# Altium PCB Evaluation Board.PcbDoc (part 2 of 22) (continued)
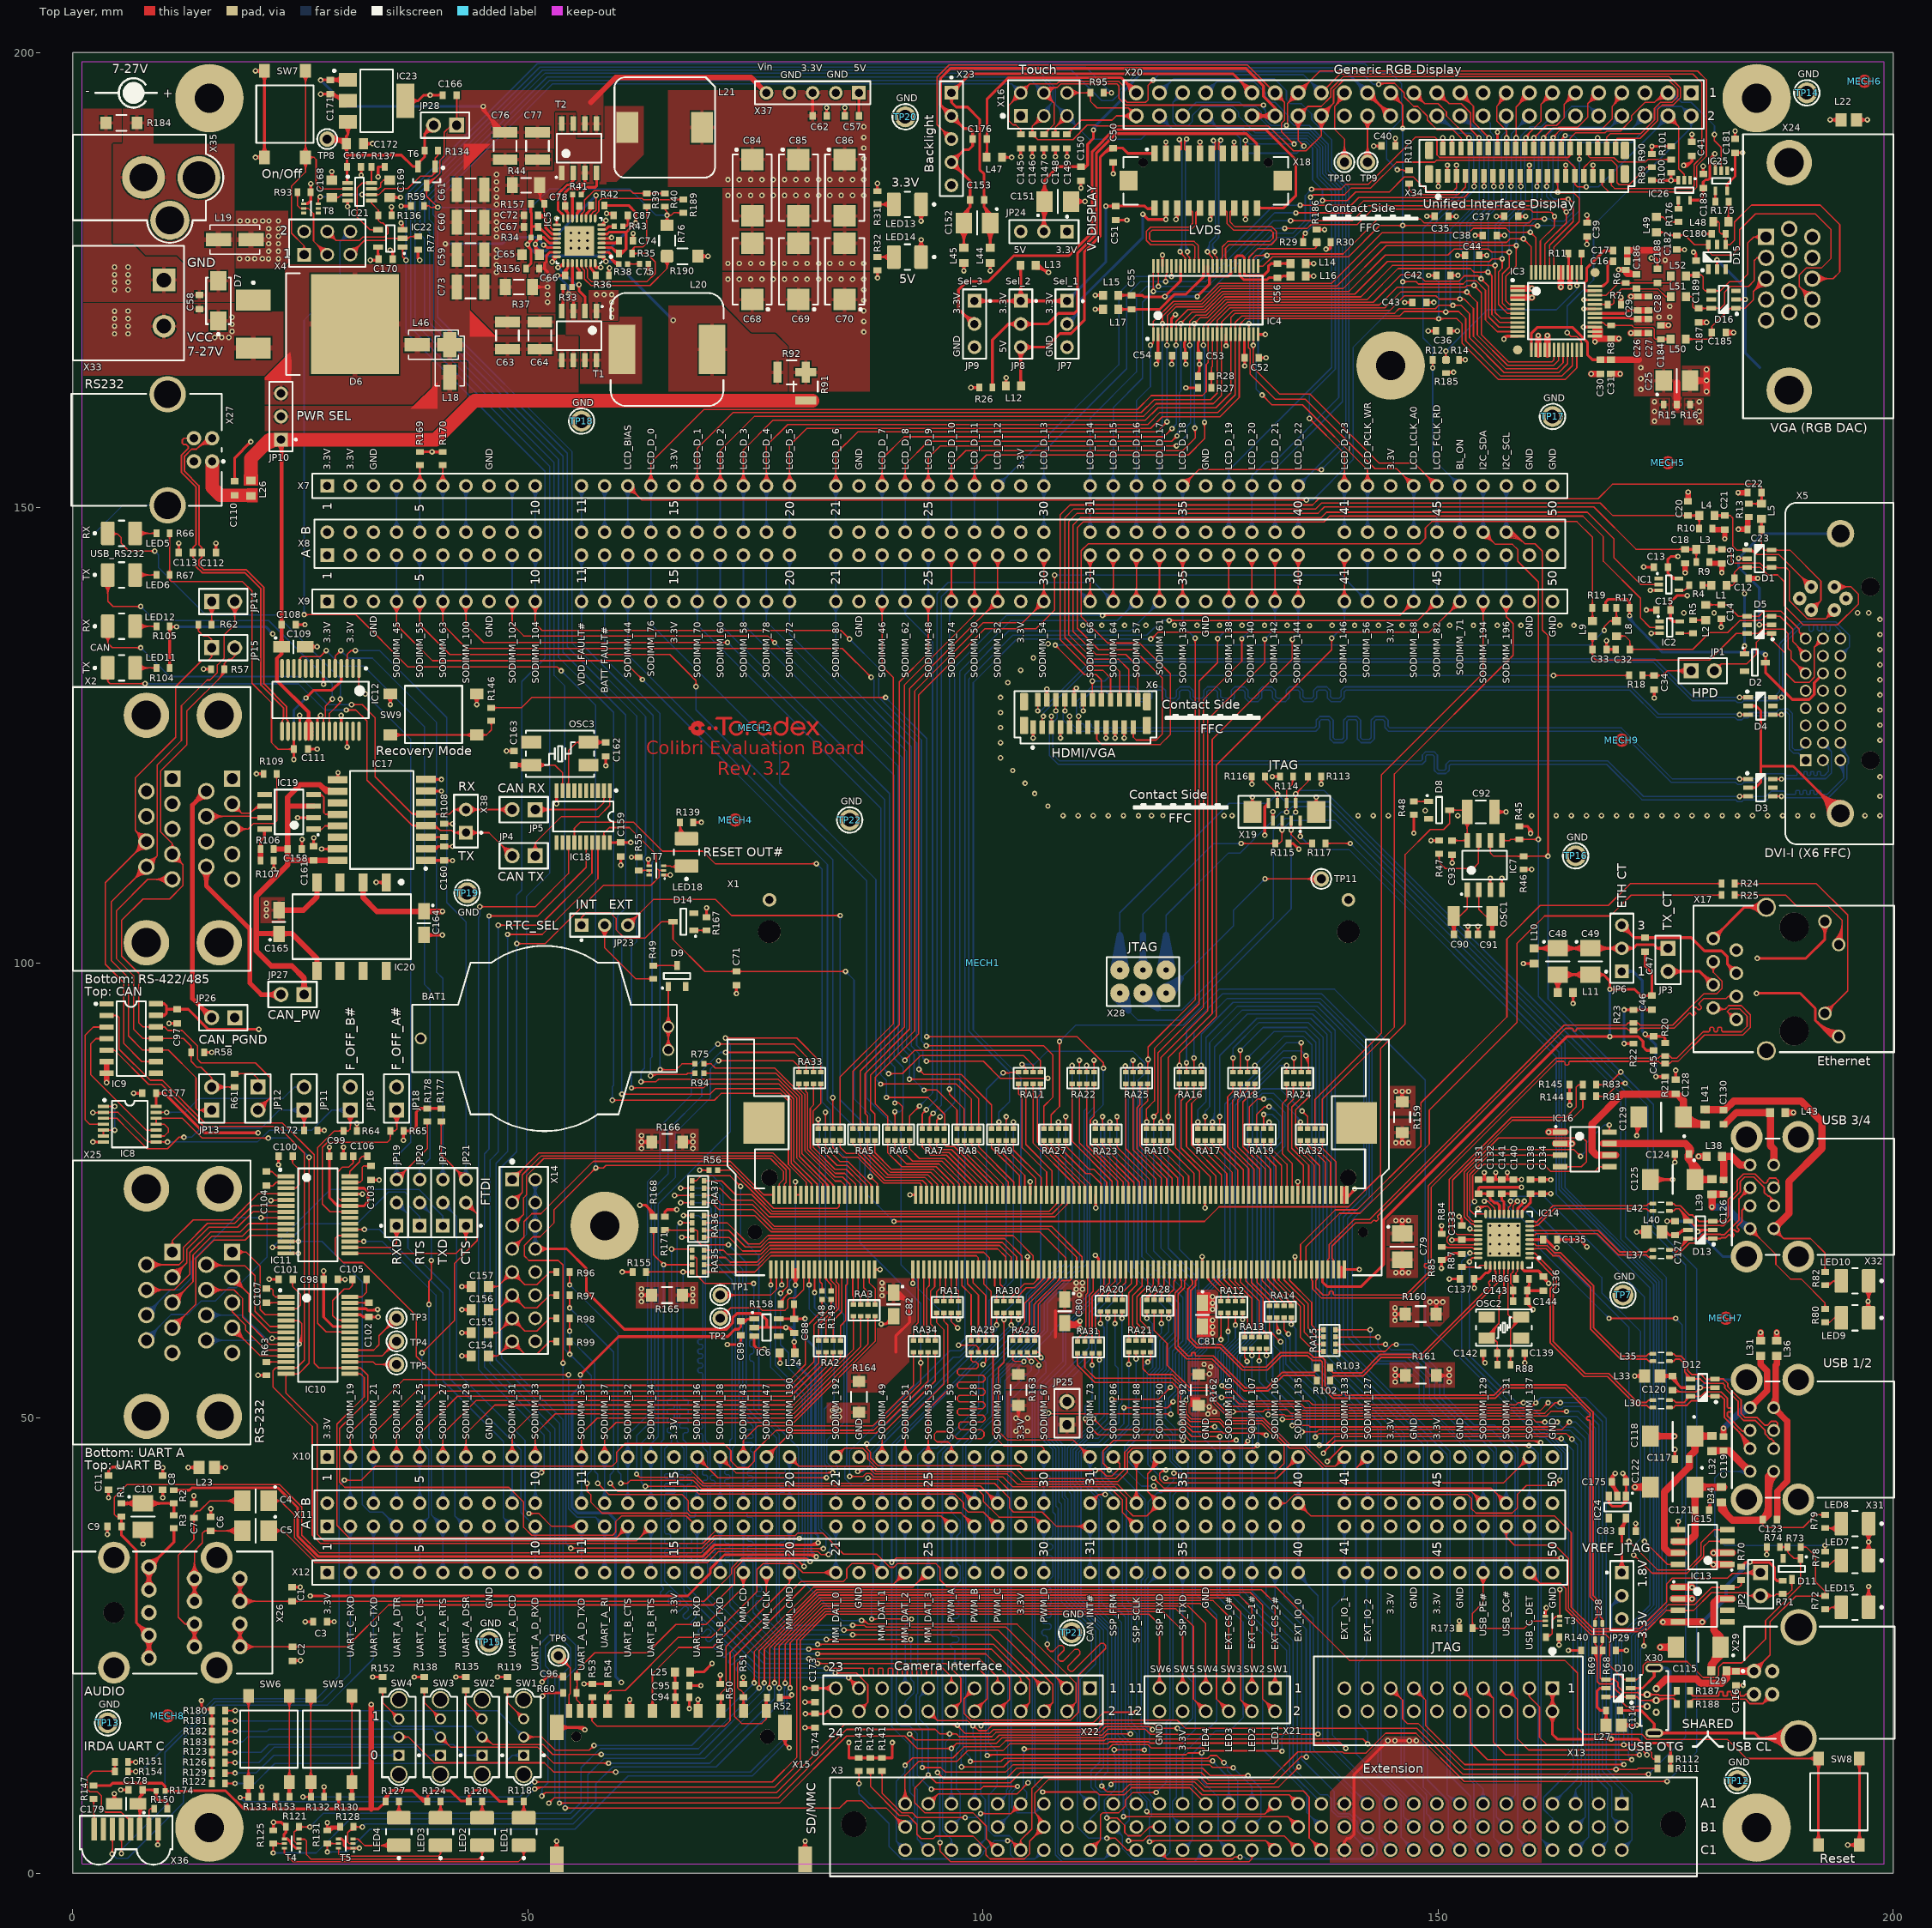
[diagram p0: Top Layer view]
## Footprints (in the part's own frame and the unit in brackets; to place one, negate y for a bottom-side part, rotate by r counter-clockwise, add the part's x,y. Pads: shape width x height; smd on the part's side, far side on the other; paste and mask are expansions set on the pad) (continued)
T_RAKON_12SMX [mm] "OSC"
  rect 2.2x1.4 smd: 1(-3.15,-1.25) 2(3.15,1.25) ""(-3.15,1.25) ""(3.15,-1.25)
  silkscreen extent -3.75,-2.55 3.75,2.55, body extent -3.75,-2.6 3.75,2.6, height 1.4
T_RENATA_HU2032-LF [mm] "C2032 Battery Holder"
  round 1.3 hole 0.9: 1(-13.6,-1.27) 1(-13.6,1.27) 2(13.6,0)
  silkscreen extent -14.55,-10.17 14.55,10.17, body extent -14.35,-10.48 14.35,10.48, height 5.2
T_RESC0603X30N [mm]
  rect 0.65x0.85 smd: 1(-0.725,0) 2(0.725,0)
  body extent -0.8,-0.4 0.8,0.4, height 0.5
t_RESC0603X30N [mm]
  rect 0.65x0.85 smd: 1(-0.725,0) 2(0.725,0)
  body extent -0.8,-0.4 0.8,0.4, height 0.5
T_RESC3216X760N [mm]
  rect 1.2x1.4 smd: 1(-1.7,0) 2(1.7,0)
  silkscreen extent -0.55,-0.88 0.55,0.88, body extent -1.6,-0.8 1.6,0.8, height 0.6
T_RESC3225X30N [mm]
  rect 0.9x2.3 smd: 1(-1.55,0) 2(1.55,0)
  silkscreen extent -0.55,-1.33 0.55,1.33, body extent -1.6,-1.25 1.6,1.25, height 0.7
T_RESISTOR_ARRAY_X4 [mm] "Resistor Array 0.8mm"
  rect 0.5x0.6 smd: 1(0,0) 2(0,-0.8) 3(0,-1.6) 4(0,-2.4) 5(1.3,0) 6(1.3,-0.8) 7(1.3,-1.6) 8(1.3,-2.4)
  silkscreen extent -0.47,-2.92 1.77,0.52, body extent -0.47,-2.92 1.77,0.52, height 0.55
T_Resistor_Array_X4 [mm] "Resistor Array 0.8mm"
  rect 0.5x0.6 smd: 1(0,0) 2(0,-0.8) 3(0,-1.6) 4(0,-2.4) 5(1.3,0) 6(1.3,-0.8) 7(1.3,-1.6) 8(1.3,-2.4)
  silkscreen extent -0.47,-2.92 1.77,0.52, body extent -0.47,-2.92 1.77,0.52, height 0.55
T_SAMTEC_SSW-102-01-G-S [mm] "Receptacle, 1x2 Pins, 2.54 mm pitch"
  rect 1.5x1.5 hole 0.9: 1(0,0)
  round 1.5 hole 0.9: 2(2.54,0)
  silkscreen extent -1.63,-1.78 4.17,1.31, body extent -1.52,-1.21 4.06,1.21, height 8.51
T_Samtec_SSW-103-01-G-D [mm] "Header, 2x3 Pins, 2.54 mm pitch"
  rect 1.5x1.5 hole 1.016: 1(0,0)
  round 1.5 hole 1.016: 2(0,2.54) 3(2.54,0) 4(2.54,2.54) 5(5.08,0) 6(5.08,2.54)
  silkscreen extent -1.65,-1.33 6.73,3.87, body extent -1.52,-1.21 6.6,3.75, height 8.52
T_Samtec_SSW-106-01-G-D [mm] "Header, 2x6 Pins, 2.54 mm pitch"
  rect 1.5x1.5 hole 1.016: 1(0,0)
  round 1.5 hole 1.016: 2(0,2.54) 3(2.54,0) 4(2.54,2.54) 5(5.08,0) 6(5.08,2.54) 7(7.62,0) 8(7.62,2.54) 9(10.16,0) 10(10.16,2.54) 11(12.7,0) 12(12.7,2.54)
  silkscreen extent -1.65,-1.33 14.35,3.87, body extent -1.52,-1.21 14.22,3.75, height 8.52
T_SAMTEC_SSW-110-01-G-S [mm] "Header, 1x50 Pins, 2.54 mm pitch"
  rect 1.5x1.5 hole 0.9: 1(0,0)
  round 1.5 hole 0.9: 2(2.54,0) 3(5.08,0) 4(7.62,0) 5(10.16,0) 6(12.7,0) 7(15.24,0) 8(17.78,0) 9(20.32,0) 10(22.86,0) 11(27.94,0) 12(30.48,0) 13(33.02,0) 14(35.56,0) 15(38.1,0) 16(40.64,0) 17(43.18,0) 18(45.72,0) 19(48.26,0) 20(50.8,0) 21(55.88,0) 22(58.42,0) 23(60.96,0) 24(63.5,0) 25(66.04,0) 26(68.58,0) 27(71.12,0) 28(73.66,0) 29(76.2,0) 30(78.74,0) 31(83.82,0) 32(86.36,0) 33(88.9,0) 34(91.44,0) 35(93.98,0) 36(96.52,0) 37(99.06,0) 38(101.6,0) 39(104.14,0) 40(106.68,0) 41(111.76,0) 42(114.3,0) 43(116.84,0) 44(119.38,0) 45(121.92,0) 46(124.46,0) 47(127,0) 48(129.54,0) 49(132.08,0) 50(134.62,0)
  silkscreen extent -1.65,-1.33 136.27,1.33, body extent -1.52,-1.21 136.14,1.21, height 8.52
T_Samtec_TSW-101-07-G-D [mm] "Header, 1x2 Pins, 2.54 mm pitch, male"
  rect 1.65x1.65 hole 1.016: 1(0,0)
  round 1.65 hole 1.016: 2(0,2.54)
  silkscreen extent -1.4,-1.4 1.4,3.94, body extent -1.27,-1.27 1.27,3.81, height 8.4
T_SAMTEC_TSW-101-07-G-D [mm] "Header, 1x2 Pins, 2.54 mm pitch, male"
  rect 1.65x1.65 hole 1.016: 1(0,0)
  round 1.65 hole 1.016: 2(0,2.54)
  silkscreen extent -1.4,-1.4 1.4,3.94, body extent -1.27,-1.27 1.27,3.81, height 8.4
T_Samtec_TSW-103-07-G-D [mm] "Header, 2x3 Pins, 2.54 mm pitch, male"
  rect 1.5x1.5 hole 1.016: 1(0,0)
  round 1.5 hole 1.016: 2(0,2.54) 3(2.54,0) 4(2.54,2.54) 5(5.08,0) 6(5.08,2.54)
  silkscreen extent -2.06,-1.4 6.47,3.94, body extent -1.27,-1.27 6.35,3.81, height 8.4
T_Samtec_TSW-108-07-G-D [mm] "Header, 2x8 Pins, 2.54 mm pitch, male"
  rect 1.5x1.5 hole 1.016: 1(0,0)
  round 1.5 hole 1.016: 2(0,2.54) 3(2.54,0) 4(2.54,2.54) 5(5.08,0) 6(5.08,2.54) 7(7.62,0) 8(7.62,2.54) 9(10.16,0) 10(10.16,2.54) 11(12.7,0) 12(12.7,2.54) 13(15.24,0) 14(15.24,2.54) 15(17.78,0) 16(17.78,2.54)
  silkscreen extent -2.06,-1.4 19.18,3.94, body extent -1.27,-1.27 19.05,3.81, height 8.4
T_Samtec_TSW-110-07-G-D [mm] "Header 2x50 pin 2.54mm pitch"
  rect 1.5x1.5 hole 0.9: A1(0,0)
  round 1.5 hole 0.9: A2(2.54,0) A3(5.08,0) A4(7.62,0) A5(10.16,0) A6(12.7,0) A7(15.24,0) A8(17.78,0) A9(20.32,0) A10(22.86,0) A11(27.94,0) A12(30.48,0) A13(33.02,0) A14(35.56,0) A15(38.1,0) A16(40.64,0) A17(43.18,0) A18(45.72,0) A19(48.26,0) A20(50.8,0) A21(55.88,0) A22(58.42,0) A23(60.96,0) A24(63.5,0) A25(66.04,0) A26(68.58,0) A27(71.12,0) A28(73.66,0) A29(76.2,0) A30(78.74,0) A31(83.82,0) A32(86.36,0) A33(88.9,0) A34(91.44,0) A35(93.98,0) A36(96.52,0) A37(99.06,0) A38(101.6,0) A39(104.14,0) A40(106.68,0) A41(111.76,0) A42(114.3,0) A43(116.84,0) A44(119.38,0) A45(121.92,0) A46(124.46,0) A47(127,0) A48(129.54,0) A49(132.08,0) A50(134.62,0) B1(0,2.54) B2(2.54,2.54) B3(5.08,2.54) B4(7.62,2.54) B5(10.16,2.54) B6(12.7,2.54) B7(15.24,2.54) B8(17.78,2.54) B9(20.32,2.54) B10(22.86,2.54) B11(27.94,2.54) B12(30.48,2.54) B13(33.02,2.54) B14(35.56,2.54) B15(38.1,2.54) B16(40.64,2.54) B17(43.18,2.54) B18(45.72,2.54) B19(48.26,2.54) B20(50.8,2.54) B21(55.88,2.54) B22(58.42,2.54) B23(60.96,2.54) B24(63.5,2.54) B25(66.04,2.54) B26(68.58,2.54) B27(71.12,2.54) B28(73.66,2.54) B29(76.2,2.54) B30(78.74,2.54) B31(83.82,2.54) B32(86.36,2.54) B33(88.9,2.54) B34(91.44,2.54) B35(93.98,2.54) B36(96.52,2.54) B37(99.06,2.54) B38(101.6,2.54) B39(104.14,2.54) B40(106.68,2.54) B41(111.76,2.54) B42(114.3,2.54) B43(116.84,2.54) B44(119.38,2.54) B45(121.92,2.54) B46(124.46,2.54) B47(127,2.54) B48(129.54,2.54) B49(132.08,2.54) B50(134.62,2.54)
  silkscreen extent -1.4,-1.4 136.02,3.94, body extent -1.27,-1.27 135.89,3.81, height 8.4
T_Samtec_TSW-112-07-G-D [mm] "Header, 2x12 Pins, 2.54 mm pitch, male"
  rect 1.5x1.5 hole 1.016: 1(0,0)
  round 1.5 hole 1.016: 2(0,2.54) 3(2.54,0) 4(2.54,2.54) 5(5.08,0) 6(5.08,2.54) 7(7.62,0) 8(7.62,2.54) 9(10.16,0) 10(10.16,2.54) 11(12.7,0) 12(12.7,2.54) 13(15.24,0) 14(15.24,2.54) 15(17.78,0) 16(17.78,2.54) 17(20.32,0) 18(20.32,2.54) 19(22.86,0) 20(22.86,2.54) 21(25.4,0) 22(25.4,2.54) 23(27.94,0) 24(27.94,2.54)
  silkscreen extent -1.4,-1.4 29.34,3.94, body extent -1.27,-1.27 29.21,3.81, height 8.4
T_SAMTEC_TSW-125-07-G-D [mm] "Header, 2x25 Pins, 2.54 mm pitch"
  rect 1.65x1.65 hole 1.016: 1(0,0)
  round 1.65 hole 1.016: 2(0,2.54) 3(2.54,0) 4(2.54,2.54) 5(5.08,0) 6(5.08,2.54) 7(7.62,0) 8(7.62,2.54) 9(10.16,0) 10(10.16,2.54) 11(12.7,0) 12(12.7,2.54) 13(15.24,0) 14(15.24,2.54) 15(17.78,0) 16(17.78,2.54) 17(20.32,0) 18(20.32,2.54) 19(22.86,0) 20(22.86,2.54) 21(25.4,0) 22(25.4,2.54) 23(27.94,0) 24(27.94,2.54) 25(30.48,0) 26(30.48,2.54) 27(33.02,0) 28(33.02,2.54) 29(35.56,0) 30(35.56,2.54) 31(38.1,0) 32(38.1,2.54) 33(40.64,0) 34(40.64,2.54) 35(43.18,0) 36(43.18,2.54) 37(45.72,0) 38(45.72,2.54) 39(48.26,0) 40(48.26,2.54) 41(50.8,0) 42(50.8,2.54) 43(53.34,0) 44(53.34,2.54) 45(55.88,0) 46(55.88,2.54) 47(58.42,0) 48(58.42,2.54) 49(60.96,0) 50(60.96,2.54)
  silkscreen extent -1.4,-1.4 62.36,3.94, body extent -1.27,-1.27 62.23,3.81, height 8.38
T_SEE-PLUS_SS-12D01-VG2 [mm] "Slide Switch"
  rect 1.2x1.2 hole 0.8: 1(0,0)
  round 1.2 hole 0.8: 2(2,0) 3(4,0)
  round 1.9 hole 1.5: ""(-2.1,0) ""(6.1,0)
  silkscreen extent -3.27,-2.31 7.27,1.86, body extent -2.3,-1.75 6.3,1.75, height 6.5
T_SMSC_USB2514B-AEZC [mm] "QFN, 36-Leads, Body 6x6mm, Pitch 0.5mm, IPC High Density"
  oval 0.95x0.3 smd: 1(-2.825,2) 2(-2.825,1.5) 3(-2.825,1) 4(-2.825,0.5) 5(-2.825,0) 6(-2.825,-0.5) 7(-2.825,-1) 8(-2.825,-1.5) 9(-2.825,-2) 19(2.825,-2) 20(2.825,-1.5) 21(2.825,-1) 22(2.825,-0.5) 23(2.825,0) 24(2.825,0.5) 25(2.825,1) 26(2.825,1.5) 27(2.825,2)
  oval 0.3x0.95 smd: 10(-2,-2.825) 11(-1.5,-2.825) 12(-1,-2.825) 13(-0.5,-2.825) 14(0,-2.825) 15(0.5,-2.825) 16(1,-2.825) 17(1.5,-2.825) 18(2,-2.825) 28(2,2.825) 29(1.5,2.825) 30(1,2.825) 31(0.5,2.825) 32(0,2.825) 33(-0.5,2.825) 34(-1,2.825) 35(-1.5,2.825) 36(-2,2.825)
  rect 3.7x3.7 smd paste-3.7: 37(0,0)
  silkscreen extent -3.97,-3.1 3.1,3.1, body extent -3.1,-3.1 3.1,3.1, height 0.91
T_SOT95P285X90-6N [mm]
  rect 1.05x0.5 smd: 1(-1.35,0.95) 2(-1.35,0) 3(-1.35,-0.95) 4(1.35,-0.95) 5(1.35,0) 6(1.35,0.95)
  silkscreen extent -1.57,-1.5 0.5,1.7, body extent -0.87,-1.54 0.87,1.54, height 1.45
T_ST_M74HC02TTR [mm] "Shrink Small Outline; 14 Leads; Body Width 4.4 mm; Pitch 0.65 mm"
  rect 1.26x0.36 smd: 1(-2.9,1.95) 2(-2.9,1.3) 3(-2.9,0.65) 4(-2.9,0) 5(-2.9,-0.65) 6(-2.9,-1.3) 7(-2.9,-1.95) 8(2.9,-1.95) 9(2.9,-1.3) 10(2.9,-0.65) 11(2.9,0) 12(2.9,0.65) 13(2.9,1.3) 14(2.9,1.95)
  silkscreen extent -2.9,-2.55 1.97,2.77, body extent -2.25,-2.55 2.25,2.55, height 1.15
T_SULLINS_SBH11-PBPC-D10-ST-GR [mm] "Header shrouded, 2x10 Pins, 2.54 mm pitch"
  rect 1.5x1.5 hole 1.016: 1(0,0)
  round 1.5 hole 1.016: 2(0,2.54) 3(2.54,0) 4(2.54,2.54) 5(5.08,0) 6(5.08,2.54) 7(7.62,0) 8(7.62,2.54) 9(10.16,0) 10(10.16,2.54) 11(12.7,0) 12(12.7,2.54) 13(15.24,0) 14(15.24,2.54) 15(17.78,0) 16(17.78,2.54) 17(20.32,0) 18(20.32,2.54) 19(22.86,0) 20(22.86,2.54)
  silkscreen extent -3.35,-4.3 26.2,6.27, body extent -5.08,-3.17 27.94,5.72, height 9.29
T_TORADEX_LOGO [mm] "Toradex Logo"
  Top Layer lines w0.15: -7.116,-0.05 -7,-0.05 ; -7.115,-0.198 cw(c-7.136,-0.05) -7.286,-0.05 cw(c-7.136,-0.05) -7.115,0.099 ; -7.044,-0.26 ccw(c-6.322,-0.05) -5.621,-0.319 ; -7.044,0.16 cw(c-6.322,-0.05) -5.621,0.22 ; -6.911,-0.118 ccw(c-7.104,-0.277) -7,-0.05 ; -6.911,0.019 cw(c-7.104,0.178) -7,-0.05 ; -6.764,-0.4 ccw(c-6.322,-0.05) -5.955,-0.477 cw(c-5.738,-0.05) -6.087,-0.379 cw(c-6.436,-0.05) -6.916,-0.05 cw(c-6.436,-0.05) -6.087,0.28 cw(c-5.738,-0.05) -5.955,0.378 ccw(c-6.322,-0.05) -6.764,0.301 ; -6.484,-0.59 ccw(c-6.436,-0.05) -6.087,-0.465 ccw(c-5.738,-0.05) -6.067,-0.481 cw(c-6.322,-0.05) -6.192,-0.533 ; -6.484,0.491 cw(c-6.436,-0.05) -6.087,0.366 cw(c-5.738,-0.05) -6.067,0.382 ccw(c-6.322,-0.05) -6.192,0.434 ; -5.636,-0.331 cw(c-5.738,-0.05) -5.636,0.232 ; 4.083,-0.046 4.702,-0.046 5.383,-0.046 ccw(c4.702,-0.05) 5.214,-0.499 ; 4.087,-0.116 4.702,-0.116 5.45,-0.116 ccw(c4.702,-0.05) 5.304,-0.499 5.127,-0.499 cw(c4.702,-0.05) 5.317,0.017 4.702,0.017 4.087,0.017 ; -7.241,-0.05 cw(c-7.136,-0.05) -7.121,0.054 ccw(c-7.104,0.178) -6.984,0.143 cw(c-6.322,-0.05) -5.732,0.305 ccw(c-5.738,-0.05) -6.087,0.015 ccw(c-6.436,-0.05) -6.087,-0.114 ccw(c-5.738,-0.05) -5.732,-0.404 cw(c-6.322,-0.05) -6.984,-0.242 ccw(c-7.104,-0.277) -7.121,-0.153 ; -7.241,-0.05 ccw(c-7.136,-0.05) -7.121,-0.153 ; -7.241,-0.05 ccw(c-7.136,-0.05) -7.121,-0.153 ; -7.178,-0.05 cw(c-7.136,-0.05) -7.13,-0.008 ccw(c-7.104,0.178) -6.924,0.126 cw(c-6.322,-0.05) -5.844,0.354 ccw(c-5.738,-0.05) -6.087,0.179 ccw(c-6.436,-0.05) -6.087,-0.278 ccw(c-5.738,-0.05) -5.844,-0.453 cw(c-6.322,-0.05) -6.924,-0.225 ccw(c-7.104,-0.277) -7.13,-0.091 cw(c-7.136,-0.05) -7.178,-0.05 ; -6.736,-0.05 ccw(c-6.436,-0.05) -6.136,-0.05 ccw(c-6.436,-0.05) -6.736,-0.05 ; -5.194,-0.05 cw(c-5.044,-0.05) -4.894,-0.05 cw(c-5.044,-0.05) -5.194,-0.05 ; -5.149,-0.05 cw(c-5.044,-0.05) -4.939,-0.05 cw(c-5.044,-0.05) -5.149,-0.05 ; -5.086,-0.05 cw(c-5.044,-0.05) -5.002,-0.05 cw(c-5.044,-0.05) -5.086,-0.05 ; -4.498,-0.05 cw(c-4.348,-0.05) -4.198,-0.05 cw(c-4.348,-0.05) -4.498,-0.05 ; -4.453,-0.05 cw(c-4.348,-0.05) -4.243,-0.05 cw(c-4.348,-0.05) -4.453,-0.05 ; -4.39,-0.05 cw(c-4.348,-0.05) -4.306,-0.05 cw(c-4.348,-0.05) -4.39,-0.05 ; -4.322,0.994 -3.523,0.994 -3.523,-0.75 -3.372,-0.75 -3.372,0.994 -2.603,0.994 -2.603,1.125 -4.218,1.125 -4.322,0.994 ; -4.192,1.057 -3.46,1.057 -3.46,-0.688 -3.434,-0.688 -3.434,1.057 -2.665,1.057 -2.665,1.062 -4.188,1.062 -4.192,1.057 ; -2.827,-0.05 cw(c-2.076,-0.05) -1.324,-0.05 cw(c-2.076,-0.05) -2.827,-0.05 ; -2.764,-0.05 cw(c-2.076,-0.05) -1.387,-0.05 cw(c-2.076,-0.05) -2.764,-0.05 ; -2.694,-0.05 cw(c-2.076,-0.05) -1.457,-0.05 cw(c-2.076,-0.05) -2.694,-0.05 ; -0.939,-0.75 -0.806,-0.75 -0.806,-0.05 cw(c-0.188,-0.05) -0.009,0.542 cw(c0.958,-0.05) 0.071,0.656 ccw(c-0.188,-0.05) -0.939,-0.05 -0.939,-0.75 ; -0.877,-0.688 -0.869,-0.688 -0.869,-0.05 cw(c-0.188,-0.05) -0.037,0.615 cw(c0.958,-0.049) -0.032,0.621 ccw(c-0.188,-0.05) -0.877,-0.05 -0.877,-0.688 ; 0.207,-0.05 cw(c0.958,-0.05) 1.709,-0.05 1.709,-0.75 1.576,-0.75 1.576,-0.476 cw(c0.958,-0.05) 0.207,-0.05 ; 0.269,-0.05 cw(c0.958,-0.05) 1.647,-0.05 1.647,-0.688 1.639,-0.688 1.639,-0.153 cw(c0.958,-0.05) 0.269,-0.05 ; 0.339,-0.05 ccw(c0.958,-0.05) 1.576,-0.05 ccw(c0.958,-0.05) 0.339,-0.05 ; 2.053,-0.05 cw(c2.804,-0.05) 3.423,0.377 3.423,1.125 3.556,1.125 3.556,-0.05 cw(c2.804,-0.05) 2.053,-0.05 ; 2.116,-0.05 cw(c2.804,-0.05) 3.485,0.054 3.485,1.062 3.493,1.062 3.493,-0.05 cw(c2.804,-0.05) 2.116,-0.05 ; 2.186,-0.05 ccw(c2.804,-0.05) 3.423,-0.05 ccw(c2.804,-0.05) 2.186,-0.05 ; 5.623,-0.75 5.791,-0.75 6.314,-0.086 6.835,-0.75 6.995,-0.75 6.403,0.006 6.919,0.664 6.749,0.664 6.314,0.1 5.879,0.664 5.716,0.664 6.23,0.006 5.623,-0.75 ; 5.753,-0.688 5.761,-0.688 6.315,0.015 6.865,-0.688 6.866,-0.688 6.323,0.006 6.79,0.602 6.78,0.602 6.314,-0.002 5.849,0.602 5.844,0.602 6.309,0.005 5.753,-0.688
T_TP-THT [mm] "Testpin TH"
  round 1.7 hole 1: 1(0,0)
  silkscreen extent -1.1,-1.1 1.1,1.1
"T_TP-THT - EYE" [mm] "Testpin TH"
  round 2.3 hole 1.5: 1(0,0)
  silkscreen extent -1.4,-1.4 1.4,1.4, body extent -1.59,-1.59 1.59,1.59, height 8.14
T_TYCO_826936-3 [mm] "Connector; Header; 3 Position"
  rect 1.5x1.5 hole 0.9: 1(0,0)
  round 1.5 hole 0.9: 2(2.54,0) 3(5.08,0)
  silkscreen extent -1.27,-1.27 6.35,1.82, body extent -1.27,-1.27 6.35,1.27, height 8.4
T_TYCO_826936-5 [mm] "Connector, Header, 4 Position, 2.54mm pitch"
  rect 1.5x1.5 hole 0.9: 1(0,0)
  round 1.5 hole 0.9: 2(2.54,0) 3(5.08,0) 4(7.62,0) 5(10.16,0)
  silkscreen extent -1.27,-1.27 11.43,1.27
T_TYCO_1473005-1 [mm] "SODIMM Connector"
  rect 2x0.35 smd: 1(0,0) 2(8.2,-0.3) 3(0,-0.6) 4(8.2,-0.9) 5(0,-1.2) 6(8.2,-1.5) 7(0,-1.8) 8(8.2,-2.1) 9(0,-2.4) 10(8.2,-2.7) 11(0,-3) 12(8.2,-3.3) 13(0,-3.6) 14(8.2,-3.9) 15(0,-4.2) 16(8.2,-4.5) 17(0,-4.8) 18(8.2,-5.1) 19(0,-5.4) 20(8.2,-5.7) 21(0,-6) 22(8.2,-6.3) 23(0,-6.6) 24(8.2,-6.9) 25(0,-7.2) 26(8.2,-7.5) 27(0,-7.8) 28(8.2,-8.1) 29(0,-8.4) 30(8.2,-8.7) 31(0,-9) 32(8.2,-9.3) 33(0,-9.6) 34(8.2,-9.9) 35(0,-10.2) 36(8.2,-10.5) 37(0,-10.8) 38(8.2,-11.1) 39(0,-11.4) 40(8.2,-11.7) 41(0,-15.6) 42(8.2,-15.9) 43(0,-16.2) 44(8.2,-16.5) 45(0,-16.8) 46(8.2,-17.1) 47(0,-17.4) 48(8.2,-17.7) 49(0,-18) 50(8.2,-18.3) 51(0,-18.6) 52(8.2,-18.9) 53(0,-19.2) 54(8.2,-19.5) 55(0,-19.8) 56(8.2,-20.1) 57(0,-20.4) 58(8.2,-20.7) 59(0,-21) 60(8.2,-21.3) 61(0,-21.6) 62(8.2,-21.9) 63(0,-22.2) 64(8.2,-22.5) 65(0,-22.8) 66(8.2,-23.1) 67(0,-23.4) 68(8.2,-23.7) 69(0,-24) 70(8.2,-24.3) 71(0,-24.6) 72(8.2,-24.9) 73(0,-25.2) 74(8.2,-25.5) 75(0,-25.8) 76(8.2,-26.1) 77(0,-26.4) 78(8.2,-26.7) 79(0,-27) 80(8.2,-27.3) 81(0,-27.6) 82(8.2,-27.9) 83(0,-28.2) 84(8.2,-28.5) 85(0,-28.8) 86(8.2,-29.1) 87(0,-29.4) 88(8.2,-29.7) 89(0,-30) 90(8.2,-30.3) 91(0,-30.6) 92(8.2,-30.9) 93(0,-31.2) 94(8.2,-31.5) 95(0,-31.8) 96(8.2,-32.1) 97(0,-32.4) 98(8.2,-32.7) 99(0,-33) 100(8.2,-33.3) 101(0,-33.6) 102(8.2,-33.9) 103(0,-34.2) 104(8.2,-34.5) 105(0,-34.8) 106(8.2,-35.1) 107(0,-35.4) 108(8.2,-35.7) 109(0,-36) 110(8.2,-36.3) 111(0,-36.6) 112(8.2,-36.9) 113(0,-37.2) 114(8.2,-37.5) 115(0,-37.8) 116(8.2,-38.1) 117(0,-38.4) 118(8.2,-38.7) 119(0,-39) 120(8.2,-39.3) 121(0,-39.6) 122(8.2,-39.9) 123(0,-40.2) 124(8.2,-40.5) 125(0,-40.8) 126(8.2,-41.1) 127(0,-41.4) 128(8.2,-41.7) 129(0,-42) 130(8.2,-42.3) 131(0,-42.6) 132(8.2,-42.9) 133(0,-43.2) 134(8.2,-43.5) 135(0,-43.8) 136(8.2,-44.1) 137(0,-44.4) 138(8.2,-44.7) 139(0,-45) 140(8.2,-45.3) 141(0,-45.6) 142(8.2,-45.9) 143(0,-46.2) 144(8.2,-46.5) 145(0,-46.8) 146(8.2,-47.1) 147(0,-47.4) 148(8.2,-47.7) 149(0,-48) 150(8.2,-48.3) 151(0,-48.6) 152(8.2,-48.9) 153(0,-49.2) 154(8.2,-49.5) 155(0,-49.8) 156(8.2,-50.1) 157(0,-50.4) 158(8.2,-50.7) 159(0,-51) 160(8.2,-51.3) 161(0,-51.6) 162(8.2,-51.9) 163(0,-52.2) 164(8.2,-52.5) 165(0,-52.8) 166(8.2,-53.1) 167(0,-53.4) 168(8.2,-53.7) 169(0,-54) 170(8.2,-54.3) 171(0,-54.6) 172(8.2,-54.9) 173(0,-55.2) 174(8.2,-55.5) 175(0,-55.8) 176(8.2,-56.1) 177(0,-56.4) 178(8.2,-56.7) 179(0,-57) 180(8.2,-57.3) 181(0,-57.6) 182(8.2,-57.9) 183(0,-58.2) 184(8.2,-58.5) 185(0,-58.8) 186(8.2,-59.1) 187(0,-59.4) 188(8.2,-59.7) 189(0,-60) 190(8.2,-60.3) 191(0,-60.6) 192(8.2,-60.9) 193(0,-61.2) 194(8.2,-61.5) 195(0,-61.8) 196(8.2,-62.1) 197(0,-62.4) 198(8.2,-62.7) 199(0,-63) 200(8.2,-63.3)
  round 1.6 hole 1.6 unplated: ""(4.1,1.75)
  round 1.1 hole 1.1 unplated: ""(4.1,-65.05)
  round 1.8 hole 1.8 unplated: ""(10.1,0.15) ""(10.1,-63.45)
  rect 4.6x4.5 smd: ""(16.1,0.75) ""(16.1,-64.35)
  round 2.5 hole 2.5 unplated: ""(37.1,0.15) ""(37.1,-63.45)
  round 1.5 hole 0.9: ""(40.6,0.15) ""(40.6,-63.45)
  silkscreen extent -0.64,-67.9 25.27,4.75, body extent -0.9,-67.4 25.15,4.1, height 5.22
T_VISHAY_MBRB735PBF [mm]
  rect 3.81x2.32 smd: 1(-5.585,2.64) 3(-5.585,-2.64)
  rect 9.65x11 smd: 2(5.585,0)
  silkscreen extent -5.71,-5.59 -0.47,5.59, body extent -6.3,-5.34 9.58,5.34, height 4.83
T_VISHAY_TFDU4101 [mm] "Infrared Transceiver Module"
  rrect12% 0.6x2.5 smd: 1(-3.5,0) 2(-2.5,0) 3(-1.5,0) 4(-0.5,0) 5(0.5,0) 6(1.5,0) 7(2.5,0) 8(3.5,0)
  silkscreen extent -5.1,-3.9 5.1,1.48, body extent -4.96,-3.94 4.95,1.37, height 4.32
T_WMF_TD-03XG [mm] "Push Button"
  rect 1.5x1.2 smd: 1(4.75,2.25) 2(-4.75,2.25) 3(4.75,-2.25) 4(-4.75,-2.25)
  silkscreen extent -3.15,-3.15 3.15,3.15, body extent -5.15,-3 5.15,3, height 7.8

## Part data
BAT1: library part BAT-Renata-HU2032-LF, "C2032 Battery Holder"
C1 C2 C3 C6 C7 C8 C9 C11: library part C-NPO-15pF-50V-10%-0603, "Capacitor Ceramic NPO 15pF 50V 10% 0603"
C4 C5 C10 C48 C49: library part C-TA-47uF-6.3V-20%-3216, "Capacitor TA 47uF 6.3V 20% 3216"
C12 C14 C112 C113 C180 C182: library part C-NP0-47pF-50V-10%-0603, "Capacitor Ceramic NP0 47pF 50V 10% 0603"
C13 C15 C16 C17 C27 C29 C31 C35 C36 C37 C38 C39 C40 C41 C42 C43 C44 C45 C46 C47 C50 C51 C57 C62 C66 C71 C78 C93 C95 C97 C98 C99 C100 C101 C102 C103 C104 C105 C106 C107 C108 C111 C114 C116 C117 C120 C121 C124 C127 C128 C132 C133 C135 C136 C137 C138 C141 C144 C150 C153 C158 C159 C160 C161 C167 C170 C173 C174 C176 C177 C178 C181 C183: library part C-X7R-100nF-16V-10%-0603, "Capacitor Ceramic X7R 100nF 16V 10% 0603"
C18 C19 C20 C21 C22 C23 C184 C185 C186 C187 C188 C189: library part C-NP0-10pF-50V-10%-0603, "Capacitor Ceramic NP0 10pF 50V 10% 0603"
C25 C79 C151 C152: library part C-TA-22uF-10V-20%-3528, "Capacitor TA 22uF 10V 20% 3528"
C26 C28 C30 C52 C53 C54 C55 C56 C96 C110: library part C-X7R-10nF-25V-10%-0603, "Capacitor Ceramic X7R 10nF 25V 10% 0603"
C32 C33: library part C-NP0-4.7pF-25V-10%-0603, "Capacitor Ceramic NP0  4.7pF 25V 10% 0603"
C34: library part C-X7R-220pF-50V-20%-0603, "Capacitor Ceramic X7R 220pF 50V 20% 0603"
C58 C171: library part C-X7R-100nF-50V-20%-0603, "Capacitor Ceramic X7R 100nF 50V 20% 0603"
C59 C60 C61 C63 C64 C76 C77: library part C-X5R-10uF-50V-20%-1210, "Capacitor Ceramic X5R 10uF 50V 20% 1210"
C65 C172: library part C-X5R-10uF-10V-20%-0805, "Capacitor Ceramic X5R 10uF 10V 20% 0805"
C67 C134 C140 C143 C166 C175: library part C-X5R-1uF-16V-20%-0603, "Capacitor Ceramic X5R 1uF 16V 20% 0603"
C68 C69 C70 C84 C85 C86: library part C-TA-150uF-10V-10%-7343, "Capacitor TA 150uF 10V 20% 7343"
C72 C94: library part C-X5R-10uF-6.3V-20%-0603, "Capacitor Ceramic X5R 10uF 6.3V 20% 0603"
C73 C92: library part C-X5R-22uF-25V-20%-1210, "Capacitor Ceramic X5R 22uF 25V 20% 1210"
C74 C87 C119 C123 C126 C130 C145 C146 C147 C148 C149: library part C-X7R-1nF-50V-10%-0603, "Capacitor Ceramic X7R 1nF 50V 10% 0603"
C75: library part C-X7R-2.7nF-50V-10%-0402, "Capacitor Ceramic X7R 2.7nF 50V 10% 0402"
C80 C81 C82 C109 C164 C179: library part C-TA-4.7uF-10V-20%-3216, "Capacitor TA 4.7uF 10V 20% 3216"
C83 C131: library part C-X5R-4.7uF-6.3V-20%-0603, "Capacitor Ceramic X5R 4.7uF 6.3V 20% 0603"
C88 C89: library part C-X5R-2.2uF-6.3V-20%-0603, "Capacitor Ceramic X5R 2.2uF 6.3V 20% 0603"
C90 C91: library part C-NPO-27pF-50V-5%-0603, "Capacitor Ceramic NPO 27pF 50V 5% 0603"
C115 C118 C122 C125 C129: library part C-TA-100uF-10V-10%-6032, "Capacitor TA 100uF 10V 10% 6032"
C139 C142: library part C-NP0-33pF-25V-10%-0603, "Capacitor Ceramic NP0 33pF 25V 10% 0603"
C154 C155 C156 C157 C168 C169: library part C-X7R-330nF-16V-10%-0805, "Capacitor Ceramic X7R 330nF 16V 10% 0805"
C162 C163: library part C-NPO-22pF-50V-5%-0603, "Capacitor Ceramic NPO 22pF 50V 5% 0603"
C165: library part C-TA-1uF-10V-20%-3216, "Capacitor TA 1uF 10V 20% 3216"
D1 D3 D4 D5 D10 D12 D13 D15 D16: library part D-Semtech-RClamp0504S, "TVS Array low cap"
D2 D8 D9 D11 D14: library part D-Philips-BAT54-Schottky, "BAT54 Schottky Diode"
D6: library part D-VISHAY-MBRB735PBF, "MBRB735PBF Schottky Diode"
D7: "Bidirectional ESD protection"
IC1 IC2 IC25 IC26: library part IC-TI-SN74LVC1G17, "Single Schmitt-Trigger Buffer"
IC3: library part IC-AD-ADV7125KSTZ140, "Video DAC 8bit 140MHz"
IC4: library part IC-NS-DS90C363BMT, "LVDS Converter"
IC5: library part IC-TI-TPS51120, "Power Supply Controller"
IC6: library part IC-ON-NCP511SN33T1G, "NCP511SN33T1G LDO Regulator"
IC7: library part IC-ST-M41T0M6, "RTC M41T0M6"
IC8: library part IC-ST-M74HC02TTR, "Quad 2-Input NOR Gate"
IC9: library part IC-AD-ADM3491ARZ, "ADM3491ARZ RS-485/RS-422 transceiver"
IC10 IC11: library part IC-TI-SN65C3243, "RS-232 Serial Transceiver"
IC12: library part IC-FTDI-FT232RL, "FT232R USB TO UART"
IC13: library part IC-TI-TPS2042BD, "Dual High Side Switch With OC_DET 500mA/CH"
IC14: library part IC-SMSC-USB2514B-AEZC, "4 Port USB HUB"
IC15 IC16: library part IC-TI-TPS2052BD, "Dual High Side Switch With OC_DET 500mA/CH"
IC17: library part IC-AD-ADuM1301ARW, "Digital Isolator"
IC18: library part IC-MC-MCP2515T-I/ST, "CAN controller with SPI Interface"
IC19: library part IC-MC-MCP2551T-I/SN, "High speed CAN Transceiver"
IC20: library part IC-MUR-NTE0505MC-R, "Isolated DC/DC Converter"
IC21: library part IC-LIN-LTC2954CTS8-2#PBF, "Push Button On/Off Controller"
IC22: library part IC-FAR-NC7SZ126M5X, "NC7SZ126M5X  Buffer Three-State Output"
IC23: library part IC-ON-NCV4264-2ST50T3G, "NCV4264-2ST50T3G LDO Regulator"
IC24: library part IC-ON-NCP603SN180T1G, "CMOS LDO Regulator"
JP1 JP2 JP3 JP11 JP12 JP13 JP14 JP15 JP16 JP18 JP25 JP26 JP27 JP28: library part CON-Samtec-TSW-101-07-G-D, "Header male, 1x2 Pins, 2.54 mm pitch"
JP4 JP5: library part CON-Samtec-TSW-101-07-G-D_1, "Header male, 1x2 Pins, 2.54 mm pitch"
JP6 JP7 JP8 JP9 JP24: library part CON-Tyco-826936-3-1X3-2.54mm-JP, "Jumper, 3-Pin"
JP10 JP17 JP20 JP23 JP29: library part CON-Tyco-826936-3-1X3-2.54mm-JP_1, "Jumper, 3-Pin"
JP19 JP21: library part CON-Tyco-826936-3-1X3-2.54mm-JP_2, "Jumper, 3-Pin"
L1 L2 L8 L9 L48 L49: library part L-220R@100MHz-500mA-25%-0603, "220R@100MHz 500mA EMI FILTER"
L3 L4 L5 L50 L51 L52: library part L-TDK-MMZ1608S400A-40R@100MHz-600mA-25%-0603, "40R@100MHz 600mA EMI FILTER"
L10 L11 L12 L13 L14 L15 L16 L17 L24 L25 L26 L29 L31 L32 L34 L36 L38 L39 L41 L43 L44 L45 L47: library part L-220R@100MHz-2A-25%-0603, "220R@100MHz 2A EMI FILTER"
L18 L19 L46: library part L-Laird-35F0121-0SR-10-10A-25%, "Power Supply FB 10A"
L20: library part L-Wurth-744771008-8.2uH-6.25A-20%, "Inductance 8.2uH 6.25A 20%"
L21: library part L-Wurth-7447797470-4.7uH-6.2A-20%, "Inductance 4.7uH 6.2A 20%"
L22 L23 L27 L33 L40: library part L-Panasonic-EXC-ML20A390U-39R@100MHz-4A-25%-0805, "39R@100MHz 4A EMI FILTER"
L28 L30 L35 L37 L42: library part L-Murata-DLW21SN900SQ2-90R@100MHz-330mA-25%, "Common Mode Choke High Speed 90R 330mA"
LED1 LED2 LED3 LED4 LED5 LED7 LED8 LED9 LED10 LED12 LED13 LED14 LED15: library part LED-Osram-T670-K1L2-1, "LED green Osram LG T670-K1L2-1"
LED6 LED11 LED18: library part "LED-Osram-LS T670-K1L2-1", "LED red, Osram LS T670-K1L2-1"
MECH1: "PCB Structure"
MECH2: "Toradex_Logo"
MECH4 MECH5 MECH6 MECH7 MECH8 MECH9: "Fiducial"
OSC1: library part OSC-MC-CC4V-T1A-32.768KHz-30ppm-5x1.9mm, "Quartz 32.768kHz"
OSC2: library part OSC-HORIZON-HEX24-24000MHz-18-50R-F-H2-T2-W2-T, "Quartz 24.0 MHz"
OSC3: library part "OSC-RAKON-12SMX (B) 30/5020/16-16.0 MHz-30ppm-7.5x5.2mm", "Quartz 16.0 MHz"
R1 R3: library part R-2.2KR-63mW-5%-0603, "Resistor 2.2Kohm 63mW 5% 0603"
R2 R109 R119 R122 R123 R126 R129 R135 R138 R152: library part R-100R-63mW-5%-0603, "Resistor 100 ohm 63mW 5% 0603"
R4 R5 R175 R176: library part R-33R-63mW-5%-0603, "Resistor 33 ohm 63mW 5% 0603"
R6 R7 R8: library part R-75R-63mW-1%-0603, "Resistor 75 ohm 63mW 1% 0603"
R9 R10 R13 R24 R25: library part R-150R-63mW-1%-0603, "Resistor 150 ohm 63mW 1% 0603"
R11 R73: library part R-560R-63mW-5%-0603, "Resistor 560 ohm 63mW 5% 0603"
R12 R15 R16 R26 R27 R29 R30 R36 R39 R40 R81 R83 R89 R90 R95 R100 R101 R102 R103 R106 R107 R110 R150 R154 R158 R167 R185 R186 R187 R188 R189: library part R-0R-63mW-1%-0603, "Resistor 0 ohm 63mW 1% 0603"
R14 R35 R42 R47 R55 R63 R64 R65 R70 R71 R77 R84 R85 R87 R93 R108 R111 R112 R113 R114 R115 R116 R121 R125 R128 R131 R134 R140 R141 R142 R143 R144 R145 R151 R155 R168 R169 R170 R171 R172 R173 R180 R181 R182 R183: library part R-100KR-63mW-5%-0603, "Resistor 100 Kohm 63mW 5% 0603"
R17 R19: library part R-1.8KR-63mW-5%-0603, "Resistor 1.8 Kohm 63mW 5% 0603"
R18 R28 R74: library part R-1KR-63mW-5%-0603, "Resistor 1 Kohm 63mW 5% 0603"
R20 R21 R22 R23: library part R-50R-63mW-1%-0603, "Resistor 50 ohm 63mW 1% 0603"
R31 R61 R62 R66 R67 R104 R105 R118 R120 R124 R127 R139: library part R-120R-63mW-5%-0603, "Resistor 120 ohm 63mW 5% 0603"
R32: library part R-220R-63mW-5%-0603, "Resistor 220 ohm 63mW 5% 0603"
R33 R34 R41 R174: library part R-4.7R-63mW-5%-0402, "Resistor 4.7 ohm 63mW 5% 0402"
R37: library part R-15mR-250mW-1%-1206, "Resistor 15 mohm 250mW 1% 1206"
R38: library part R-6.2KR-63mW-1%-0402, "Resistor 6.2 Kohm 63mW 1% 0402"
R43: library part R-10KR-63mW-1%-0402, "Resistor 10 Kohm 63mW 1% 0402"
R44: library part R-24mR-250mW-1%-1206, "Resistor 24 mohm 250mW 1% 1206"
R45 R46: library part R-4.7kR-63mW-5%-0603, "Resistor 4.7 Kohm 63mW 5% 0603"
R48: library part R-470R-63mW-5%-0603, "Resistor 470 ohm 63mW 5% 0603"
R49 R130 R153: library part R-10R-63mW-5%-0603, "Resistor 10 ohm 63mW 5% 0603"
R50: library part R-33KR-63mW-5%-0603, "Resistor 33 Kohm 63mW 5% 0603"
R51 R52 R53 R54: library part R-68KR-63mW-5%-0603, "Resistor 68 Kohm 63mW 5% 0603"
R56 R75 R94 R148 R149: library part R-22R-63mW-5%-0402, "Resistor 22 ohm 63mW 5% 0402"
R57 R58: library part R-680R-63mW-5%-0603, "Resistor 680 ohm 63mW 5% 0603"
R59 R60 R96 R97 R98 R99 R132 R133 R136 R137 R146: library part R-10KR-63mW-5%-0603, "Resistor 10 Kohm 63mW 5% 0603"
R68 R69: library part R-15KR-63mW-5%-0603, "Resistor 15 Kohm 63mW 5% 0603"
R72 R78 R79 R80 R82: library part R-330R-63mW-5%-0603, "Resistor 330 ohm 63mW 5% 0603"
R76 R159 R160 R161 R162 R163 R164 R165 R166 R184 R190: library part R-0R-63mW-1%-1206, "Resistor 0 ohm 63mW 1% 1206"
R86: library part R-12KR-63mW-1%-0603, "Resistor 12 Kohm 63mW 1% 0603"
R88 R177 R178: library part R-1MR-63mW-5%-0603, "Resistor 1Mohm 63mW 5% 0603"
R91 R92: library part R-0R-63mW-1%-1210, "Resistor 0 ohm 63mW 1% 1210"
R117 R147: library part R-22R-63mW-5%-0603, "Resistor 22 ohm 63mW 5% 0603"
R156: library part R-3.6KR-63mW-1%-0603, "Resistor 3.6 Kohm 63mW 1% 0603"
R157: library part R-3.3KR-63mW-1%-0603, "Resistor 3.3 Kohm 63mW 1% 0603"
RA1 RA2 RA3 RA4 RA5 RA6 RA7 RA8 RA9 RA10 RA11 RA12 RA13 RA14 RA15 RA16 RA17 RA18 RA19 RA20 RA21 RA22 RA23 RA24 RA25 RA26 RA27 RA28 RA29 RA30 RA31 RA32 RA33 RA34 RA35 RA36 RA37: library part RA-22R-63mW-5%-1206-div, "Resistor Array 22 R 63mW 5% 1206"
SW1 SW2 SW3 SW4: library part SW-See-Plus-SS-12D01-VG2, "Switch"
SW5 SW6 SW7 SW8 SW9: library part SW-WMF-TD-03XG, "Switch"
T1 T2: library part T-Fairchild-FDS6982AS-N, "N-Channel PowerTrench SyncFET"
T3 T4 T5 T7 T8: "Dual N-Channel 20V (D-S)  MOSFET"
T6: library part T-IR-IRLML6401PbF-SOT-23, "p-channel MOSFET, IRLML6401PbF"
TP1 TP2 TP3 TP4 TP5 TP6 TP8 TP9 TP10 TP11: "Testpin TH"
TP7 TP12 TP13 TP14 TP15 TP16 TP17 TP18 TP19 TP20 TP21 TP22: library part TP-Keystone-5011, "Testpin Eye TH"
X1: "SODIMM Connector"